# KiCad board Swadge-HW.kicad_pcb (continued)
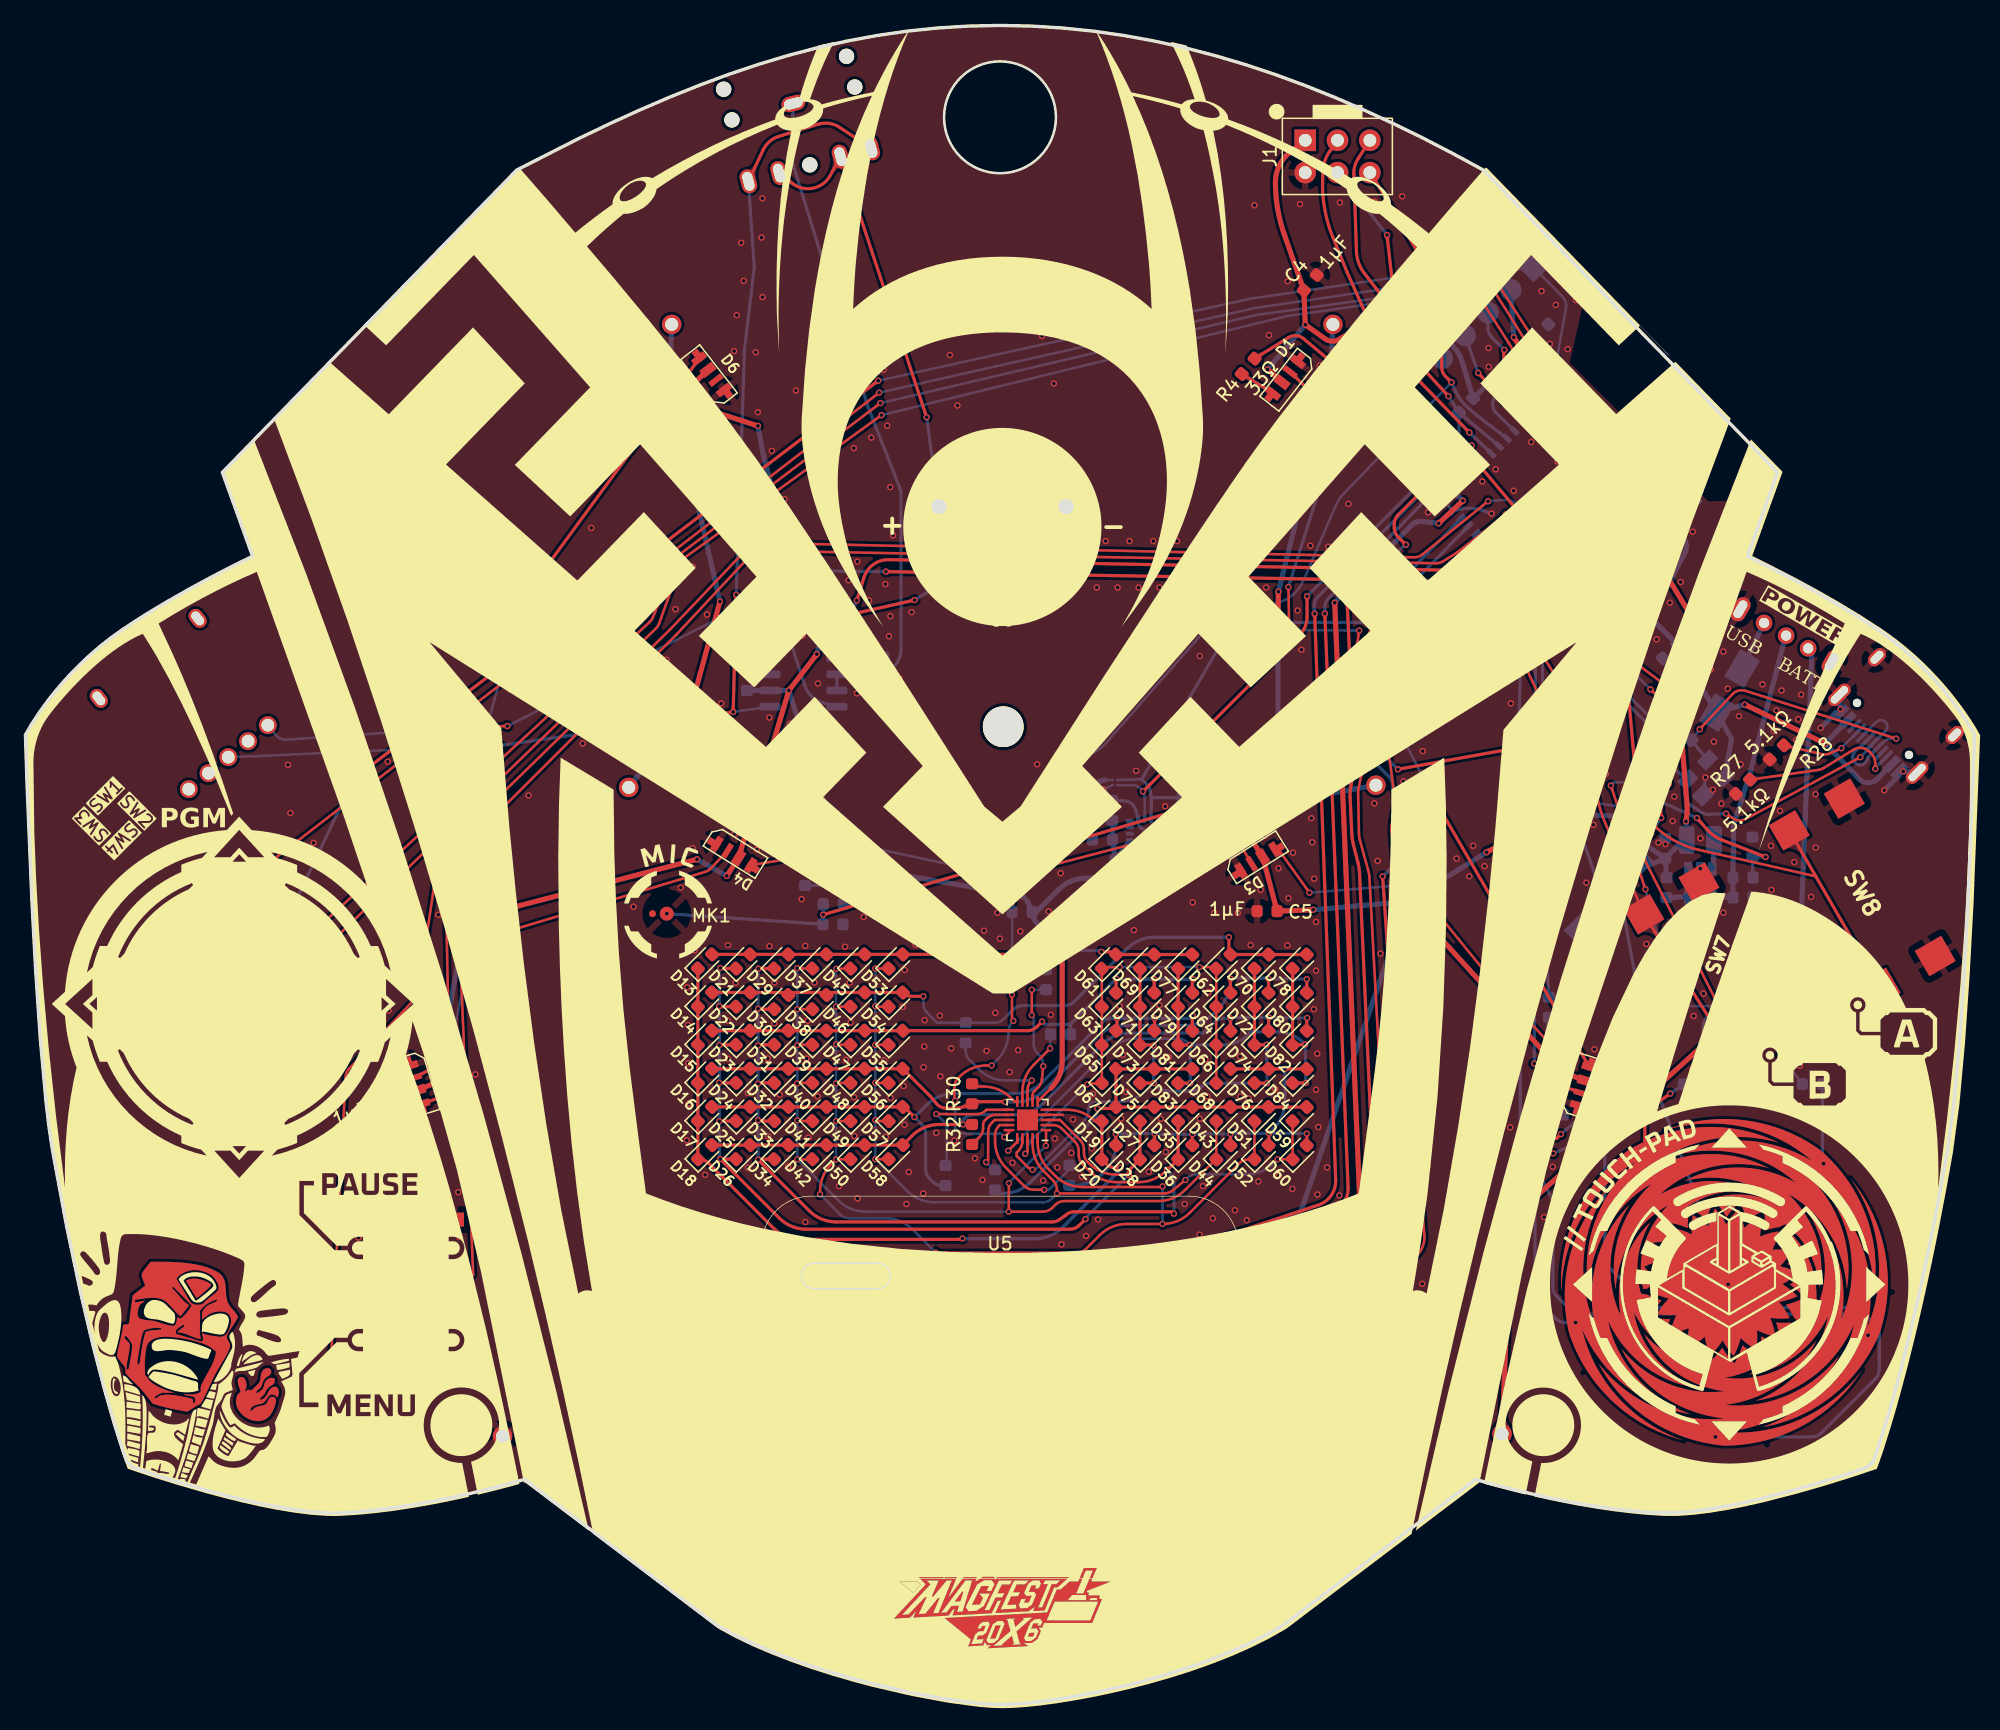
[diagram p0: board, top side]
## Routing (per net, layer and track width the routed paths; a pad name or vN(x,y) marks a point on that pad's centre or on a via; arc(x,y) is an arc through that point) (continued)
C6: length 37
  Top w0.2: v1(83.5,48.8) 83.56,48.86 84.6,48.86 D67.1 D61.1 84.75,58.01 v1(86.04,58.01) ; U11.18 78.79,43.51 v1(78.61,43.33) ; v1(92.3,58.02) 93.51,58.02 D62.1 D68.1
  Bottom w0.2: v1(78.61,43.33) 78.79,43.51 78.79,43.68 arc(78.87,44.06) 79.08,44.38 v1(83.5,48.8) ; v1(92.3,58.02) 86.05,58.02 v1(86.04,58.01)
C7: length 47.3
  Top w0.2: v1(79.2,42.07) 79.07,42.2 78.9,42.2 77.94,43.16 77.94,43.43 78.09,43.58 arc(78.3,43.9) 78.38,44.28 78.38,44.53 U11.17
  Top w0.25: D70.1 D74.1 v1(97.6,51.91) ; v1(97.63,48.88) D76.1 ; v1(88.7,51.84) 88.66,51.89 D73.1 D69.1 ; D75.1 87.64,48.89 v1(88.73,48.89)
  Bottom w0.2: v1(79.2,42.07) 79.37,42.07 83.29,45.99 arc(83.5,46.31) 83.58,46.69 83.6,46.96 arc(83.75,47.29) 84.09,47.43 84.47,47.43 86.02,47.43 arc(87.17,47.66) 88.14,48.31 v1(88.73,48.89)
  Bottom w0.25: v1(97.6,51.91) v1(97.63,48.88) 93.15,48.88 arc(92.77,48.8) 92.45,48.59 92.42,48.56 arc(92.1,48.35) 91.71,48.27 89.77,48.27 arc(89.39,48.35) 89.06,48.56 v1(88.73,48.89) 88.7,48.92 v1(88.7,51.84)
C8: length 50.8
  Top w0.2: v1(77.28,43.57) 77.99,44.28 U11.16
  Top w0.25: v1(91.57,51.89) D81.1 D77.1 ; v1(91.59,48.88) D83.1 ; v1(100.63,51.93) D82.1 D78.1 ; v1(100.68,48.9) D84.1
  Bottom w0.2: v1(77.28,43.57) 85.21,51.5 arc(86.18,52.15) 87.33,52.38 90.66,52.38 arc(91.05,52.3) 91.37,52.09 v1(91.57,51.89)
  Bottom w0.25: v1(100.68,48.9) v1(100.63,51.93) 100.52,52.04 arc(99.54,52.69) 98.4,52.92 96.38,52.92 96.23,52.77 arc(95.25,52.12) 94.11,51.89 v1(91.57,51.89) v1(91.59,48.88)
CC1: length 6.6
  Top w0.2: v1(142.78,75.24) 141.89,74.83 arc(141.57,74.75) 141.25,74.77 R28.2
  Bottom w0.2: P1.A5 v1(142.78,75.24)
CC2: length 12.7
  Top w0.2: 135.6,72.76 140.99,73.53 arc(141.19,73.58) 141.38,73.67 143.74,75.12 arc(144.38,75.26) 144.97,74.98 145.16,74.79 arc(145.37,74.47) 145.45,74.08 v1(145.45,73.62)
  Bottom w0.2: v1(145.45,73.62) 145.45,73.67 P1.B5
EN: length 5.5
  Bottom w0.25: C1.1 R1.2 U1.45
GPIO40: length 29
  Top w0.25: J1.5 104.76,121.59 arc(104.52,121.04) 104.45,120.44 104.66,114.33 arc(104.83,113.41) 105.28,112.59 106.25,111.35 arc(106.71,110.48) 106.87,109.51 106.87,107.53 arc(107.05,106.9) 107.43,106.36 v1(113.54,100.07)
  Bottom w0.25: U1.36 v1(113.54,100.07)
GPIO42: length 106.1
  Top w0.2: v1(77.57,55.86) 77.57,53.89 v1(77.68,53.78) ; v1(76.97,44.64) 77.34,45.01 U11.15 ; v1(73.1,47.5) 73.04,47.56 73.04,48.58 arc(73.12,48.96) 73.33,49.28 73.45,49.4 arc(74.42,50.05) 75.57,50.28 v1(75.97,50.28) ; v1(77.55,63.07) v1(77.91,64.39)
  Top w0.25: v1(112.13,104.02) 111.66,104.49 arc(111.44,104.82) 111.36,105.2 111.36,110.32 arc(111.31,110.88) 111.15,111.43 105.76,120.54
  Bottom w0.2: v1(77.68,53.78) 77.59,53.69 arc(77.38,53.37) 77.3,52.99 77.3,52.86 arc(77.07,51.71) 76.42,50.74 75.97,50.29 v1(75.97,50.28) ; v1(77.57,55.86) 77.58,55.87 R35.1 v1(77.55,63.07) ; v1(76.97,44.64) 76.69,44.92 73.88,44.92 arc(73.5,45) 73.18,45.21 73.1,45.29 v1(73.1,47.5) ; v1(112.13,104.02) 103.64,95.25 arc(103.3,94.83) 103.04,94.35 100.48,88.41 arc(99.62,87.27) 98.32,86.66 94.82,85.95 arc(93.91,85.6) 93.16,84.99 84.94,75.61 arc(84.33,75.08) 83.6,74.74 82.1,74.25 arc(80.86,73.48) 80.13,72.22 v1(77.91,64.39)
  Bottom w0.25: U1.38 114.4,101.21 arc(113.76,101.73) 113.16,102.29 113.15,102.3 arc(112.77,102.75) 112.48,103.26 v1(112.13,104.02)
LCD28: length 30.5
  Top w0.4: v1(79.24,29.98) v1(66.24,16.02)
  Bottom w0.4: U5.10 63.83,17.03 arc(64.12,16.32) 64.83,16.03 66.23,16.03 v1(66.24,16.02) 66.24,17.6 U5.2 ; U7.2 C19.1 C25.1 v1(79.24,29.98)
LED: length 22.6
  Top w0.25: v1(113.71,99.06) 113.46,99.06 107.41,105.11 arc(107.09,105.32) 106.7,105.4 103.38,105.36 arc(103.03,105.42) 102.73,105.59 100.49,107.46 arc(99.92,107.69) 99.32,107.55 R4.2
  Bottom w0.25: v1(113.71,99.06) 113.71,98.78 U1.35
MIC: length 88.4
  Top w0.25: v1(124.33,79.12) v1(124.8,84.88) ; v1(62.72,62.14) v1(100.18,73.17) ; v1(107.92,73.58) v1(120.08,75.77)
  Bottom w0.2: U1.11 124.99,87.49 arc(125.26,87.04) 125.25,86.52 v1(124.8,84.88)
  Bottom w0.25: v1(120.08,75.77) v1(124.33,79.12) ; R3.2 v1(62.72,62.14) C9.2 v1(50.43,62.22) ; v1(100.18,73.17) 102.98,74.46 arc(103.3,74.68) 103.69,74.75 106.33,74.75 arc(106.71,74.68) 107.04,74.46 v1(107.92,73.58)
R0: length 38.9
  Top w0.25: v1(79.25,58.47) 79,58.73 arc(78.67,58.94) 78.29,59.02 D53.2 D13.2 ; D77.2 D61.2 85.54,59.22 v1(84.6,59.22)
  Bottom w0.25: v1(84.6,59.22) 84.5,59.32 82.85,59.32 arc(81.7,59.09) 80.73,58.44 80.25,57.96 R20.1 79.59,58.47 v1(79.25,58.47)
R1: length 52.1
  Top w0.25: D14.2 D54.2 68.99,56.01 arc(69.32,55.8) 69.7,55.72 v1(70.6,55.72) ; D78.2 D62.2 94.63,59.13 v1(94.63,60.37)
  Bottom w0.2: 77.23,54.24 76.91,53.93 arc(76.59,53.71) 76.21,53.64 R23.1 71.67,53.64 71.67,53.65 70.9,54.42 arc(70.68,54.75) 70.6,55.13 v1(70.6,55.72)
  Bottom w0.25: 77.23,54.24 77.69,54.7 arc(78.01,54.92) 78.39,54.99 81.74,54.99 arc(82.12,55.07) 82.45,55.29 86.65,59.49 arc(87.62,60.14) 88.77,60.37 v1(94.63,60.37)
R2: length 43.7
  Top w0.25: D15.2 D55.2 78.81,53.02 arc(79.2,53.09) 79.52,53.31 v1(79.94,53.73) ; v1(88.75,57.07) 88.75,56.01 D71.2 ; v1(91.83,57.04) 91.75,56.96 D79.2 ; v1(85.75,57.09) 85.75,56.01 D63.2
  Bottom w0.25: v1(79.94,53.73) 80.15,53.52 82.18,53.52 ; 82.18,53.52 v1(85.75,57.09) 85.78,57.07 v1(88.75,57.07) 88.78,57.04 v1(91.83,57.04) ; 82.18,53.52 R29.1
R3: length 55.8
  Top w0.25: 94.76,57.04 94.75,57.03 D64.2 ; D80.2 100.75,56.01 v1(100.75,57.07) ; R30.1 73.43,46.92 72.4,46.92 arc(71.97,47.01) 71.63,47.28 71.19,47.82 D56.2 D16.2 ; R30.1 74.45,47.24 74.45,47.28 74.6,47.43 77.02,47.43 v1(77.04,47.41) ; R30.1 74.4,47.23 ; v1(97.74,57.09) 97.75,57.08 D72.2
  Bottom w0.25: 94.81,57.14 97.74,57.14 v1(97.74,57.09) 100.73,57.09 v1(100.75,57.07) ; v1(94.76,57.09) 94.76,56.94 arc(94.53,55.79) 93.88,54.82 93.36,54.3 arc(92.38,53.65) 91.24,53.42 86.42,53.42 arc(85.27,53.19) 84.3,52.54 80.05,48.29 arc(79.07,47.64) 77.93,47.41 v1(77.04,47.41) ; 94.76,57.04 94.81,57.09
R4: length 51.1
  Top w0.25: v1(88.78,53.99) 88.78,53.04 D73.2 ; v1(91.78,54.22) 91.78,53.99 91.75,53.96 D81.2 ; v1(69.9,46.22) 69.11,47.02 D57.2 D17.2 ; v1(85.83,53.99) 85.83,53.09 D65.2
  Bottom w0.25: v1(91.78,54.22) 91.55,53.99 v1(88.78,53.99) v1(85.83,53.99) 85.4,53.99 arc(85.02,53.92) 84.69,53.7 79.94,48.95 arc(78.96,48.3) 77.82,48.07 73,48.07 arc(71.85,47.84) 70.88,47.19 v1(69.9,46.22) 70.49,45.64 arc(70.7,45.31) 70.78,44.93 70.78,42.11 arc(70.86,41.73) 71.07,41.4 71.35,41.13 arc(71.67,40.91) 72.06,40.83 R31.2
R5: length 54.4
  Top w0.25: R32.2 v1(73.72,45.64) 71.85,45.64 arc(70.7,45.41) 69.73,44.76 D58.2 D18.2 ; v1(97.78,54.04) 97.75,54.01 D74.2 ; v1(94.75,53.99) 94.75,53.01 D66.2 ; D82.2 100.75,53.99 v1(100.78,54.02)
  Bottom w0.25: v1(73.72,45.64) 73.72,45.98 73.86,46.12 arc(74.18,46.33) 74.57,46.41 77.89,46.41 arc(79.03,46.64) 80.01,47.29 84.67,51.95 arc(85.64,52.6) 86.79,52.83 92.59,52.83 93.54,53.7 arc(93.87,53.92) 94.25,53.99 v1(94.75,53.99) 94.8,54.04 v1(97.78,54.04) 97.8,54.02 v1(100.78,54.02)
R6: length 37.1
  Top w0.25: D59.2 D43.2 D35.2 D19.2 ; D83.2 D67.2 D19.2 ; D19.2 85.64,46.89 v1(84.28,46.89)
  Bottom w0.2: R33.2 76.34,40.49 76.61,40.22
  Bottom w0.25: v1(84.28,46.89) 84.28,46.76 arc(84.2,46.38) 83.99,46.06 79.03,41.1 arc(78.05,40.45) 76.91,40.22 76.51,40.22 R33.2
R7: length 38.3
  Top w0.25: D60.2 100.75,44.91 v1(100.75,44.92) ; D52.2 97.78,44.04 v1(97.78,44.94) ; v1(91.75,44.87) 91.75,44.01 D36.2 ; D68.2 v1(99.03,50.01) D84.2 ; D20.2 85.73,44.03 v1(85.73,44.89) ; v1(94.75,44.89) 94.75,44.01 D44.2 ; v1(88.78,44.92) 88.78,44.04 D28.2
  Bottom w0.25: v1(97.78,44.94) 98.15,45.32 arc(98.8,46.29) 99.03,47.44 v1(99.03,50.01) ; v1(97.78,44.94) 94.8,44.94 v1(94.75,44.89) 91.78,44.89 v1(91.75,44.87) 88.83,44.87 v1(88.78,44.92) 85.75,44.92 v1(85.73,44.89) 85.73,44.06 arc(85.5,42.91) 84.85,41.94 84.64,41.73 arc(83.67,41.08) 82.52,40.85 R34.2 ; v1(97.78,44.94) 97.8,44.92 v1(100.75,44.92)
RX: length 8.4
  Top w0.25: v1(114.23,104.76) v1(116.31,102.53)
  Bottom w0.25: v1(116.31,102.53) U1.40 ; J3.4 v1(114.23,104.76)
SCL: length 70.5
  Top w0.25: v1(100.77,87.2) 100.77,85.56 arc(100.62,84.8) 100.19,84.15 v1(87.87,71.83) ; v1(107.06,115.61) 107.97,107.48 arc(108.06,107.18) 108.23,106.92 v1(111.89,102.93)
  Bottom w0.2: U6.13 88.01,71.33 arc(87.71,72.05) 86.99,72.34 85.88,72.32
  Bottom w0.25: R6.1 U1.37 ; R6.1 v1(111.89,102.93) ; R6.1 112.72,99.56 arc(112.64,99.17) 112.42,98.85 v1(100.77,87.2) ; v1(107.06,115.61) 103.22,120.54
SDA: length 95.6
  Top w0.25: 119.75,91.04 114.08,97.78 arc(113.92,97.95) 113.74,98.1 107.13,104.71 106.74,104.71 v1(106.75,104.71) ; 119.75,91.04 v1(113.82,85.11) ; 119.75,91.04 119.83,91.12 arc(120.48,91.56) 121.25,91.71 v1(125.56,91.71) ; 103.22,123.08 102.59,122.23 arc(102.18,121.46) 102.02,120.6 101.99,119.89 arc(102.16,117.63) 102.79,115.45 103.91,112.72 v1(106.16,107.66)
  Bottom w0.2: U10.B2 87.77,72.79
  Bottom w0.25: v1(125.56,91.71) 126.96,90.31 U1.7 ; v1(106.75,104.71) v1(106.16,107.66) ; v1(113.82,85.11) 100.96,85.14 arc(100.96,85.14) 100.96,85.14 96.12,85.11 arc(95.13,84.85) 94.4,84.13 87.77,72.79 88.16,72.4 arc(88.34,72.16) 88.44,71.86 88.53,71.36 ; 88.53,71.36 R18.2 ; 88.53,71.36 U6.14
SNODE: length 26.6
  Bottom w0.4: SW9.2 138.41,84.16 135.5,72.93 arc(135.49,72.87) 135.47,72.81 134.4,69.5 arc(134.33,69.21) 134.31,68.91 R21.2 C7.1 132.64,63.56 132.65,64.24 arc(132.5,64.59) 132.16,64.74 131.24,64.76 arc(130.89,64.91) 130.75,65.26 U3.1
SPK: length 56.1
  Top w0.25: v1(67.66,89.13) v1(114.99,88.3)
  Bottom w0.25: C18.2 v1(67.66,89.13) ; U1.21 117.66,88.51 117.13,87.98 arc(116.57,87.7) 115.96,87.8 v1(114.99,88.3)
SPK_SHDN: length 58.8
  Top w0.25: v1(114.97,89.18) 67.88,90.07 arc(66.67,89.69) 65.93,88.67 v1(65.37,86.86)
  Bottom w0.25: v1(65.37,86.86) R5.2 U8.1 ; U1.22 116.89,88.93 arc(116.33,88.65) 115.71,88.77 v1(114.97,89.18)
TFT_CS: length 105.9
  Top w0.2: v1(106.47,86.68) 104.9,82 arc(104.81,81.63) 104.8,81.26 105.19,74.12 arc(105.18,73.86) 105.14,73.59 104.83,72.16 arc(104.8,71.93) 104.79,71.69 104.85,68.5 arc(104.87,68.26) 104.92,68.01 105.6,65.54 arc(105.65,65.33) 105.67,65.11 107.13,38.2 arc(106.87,37.09) 106.04,36.31 v1(74.12,20)
  Bottom w0.2: U5.3 65.92,20.7 65.92,21.19 arc(66.33,22) 67.22,22.15 v1(74.12,20)
  Bottom w0.25: U1.29 106.47,86.66
TFT_FMARK: length 110.6
  Top w0.25: v1(106.11,74.1) 105.63,81.21 arc(105.65,81.64) 105.76,82.06 v1(107.55,86.68) ; v1(106.72,65.15) 108.6,37.37 arc(108.33,36.23) 107.48,35.44 v1(73.79,18.98) ; v1(67.23,21.56) 63.58,21.56 v1(63.54,21.6)
  Bottom w0.25: v1(63.54,21.6) 63.52,21.58 U5.11 ; v1(67.23,21.56) 71.54,20.31 arc(71.8,20.21) 72.05,20.08 v1(73.79,18.98) ; v1(106.72,65.15) 107.22,65.65 arc(107.43,65.98) 107.51,66.36 107.51,72.29 arc(107.43,72.67) 107.22,73 v1(106.11,74.1) ; U1.28 v1(107.55,86.68)
TFT_LEDA: length 22.1
  Bottom w0.4: C22.1 75.52,26.5 arc(75.17,25.92) 74.53,25.69 63.34,25.71 arc(62.63,25.42) 62.34,24.71 U5.15 U5.14
TFT_RESET: length 112.7
  Top w0.25: v1(108.55,91.24) 107.92,91.87 arc(107.71,92.19) 107.63,92.57 107.63,92.88 arc(107.71,93.26) 107.92,93.58 112.11,97.77 arc(112.43,97.98) 112.81,98.06 v1(112.83,98.06) ; v1(71.76,19.52) 105.04,36.93 arc(105.85,37.7) 106.11,38.79 104.9,65.42 arc(104.86,65.83) 104.78,66.22 104.41,67.69 arc(104.33,68.08) 104.29,68.48 104.16,71.36 arc(104.16,71.85) 104.23,72.34 104.42,73.27 arc(104.49,73.76) 104.5,74.25 v1(103.93,86.68)
  Bottom w0.25: v1(103.93,86.68) 107.53,90.28 107.53,90.32 108.45,91.24 v1(108.55,91.24) ; v1(71.76,19.52) 66.57,19.18 arc(65.92,18.87) 65.64,18.2 U5.4 ; U1.34 113.22,98.06 v1(112.83,98.06)
TFT_RS: length 112.5
  Top w0.2: v1(110.78,86.68) 108.66,85.81 arc(108.01,85.37) 107.57,84.71 106.54,82.18 arc(106.41,81.73) 106.4,81.26 107.21,74.75 107.67,71.34 arc(107.69,71.05) 107.67,70.77 107.43,69.18 arc(107.41,68.95) 107.41,68.72 110,36.91 arc(109.73,35.74) 108.84,34.94 v1(101.55,31.59)
  Top w0.25: v1(65.39,26.91) v1(65.39,24.23)
  Bottom w0.2: v1(101.55,31.59) 78.2,31.35 arc(77.19,31.07) 76.47,30.32 R26.1
  Bottom w0.25: U1.25 110.78,86.69 ; R26.1 v1(65.39,26.91) ; v1(65.39,24.23) U5.5
TFT_SCL: length 107.1
  Top w0.25: v1(101.37,85.82) 103.02,41.27 arc(102.67,40.06) 101.65,39.3 78.61,31.67 arc(78.38,31.58) 78.16,31.45 v1(64.79,22.9)
  Bottom w0.25: U1.32 112.01,96.84 arc(111.66,96.98) 111.31,96.83 101.63,87.15 arc(101.41,86.82) 101.34,86.44 101.34,85.85 v1(101.37,85.82) ; U5.7 v1(64.79,22.9)
TFT_SDA: length 110.2
  Top w0.25: 64.67,19.2 v1(64.66,19.21) 66.37,19.21 arc(67.14,19.36) 67.78,19.8 78.5,30.51 arc(78.87,30.8) 79.29,31 102.63,38.7 arc(103.64,39.46) 104,40.68 v1(102.17,85.83) ; v1(112.74,97.35) v1(111.53,96.2)
  Bottom w0.25: v1(64.66,19.21) U5.8 ; v1(102.17,85.83) 102.17,86.32 arc(102.24,86.7) 102.46,87.02 v1(111.53,96.2) ; U1.33 v1(112.74,97.35)
TFTATP: length 90.8
  Top w0.4: v1(113.03,94.71) v1(111.12,92.93) ; v1(102.95,86.68) 104.92,39.59 arc(104.66,38.53) 103.89,37.76 84.88,27.23 arc(84.7,27.16) 84.51,27.12 v1(82.58,26.94)
  Bottom w0.4: U1.31 v1(113.03,94.71) ; v1(111.12,92.93) 109.82,93.08 arc(109.37,93.02) 108.99,92.78 102.95,86.74 v1(102.95,86.68) ; v1(82.58,26.94) Q1.1 R7.2
TOUCH_1: length 52.3
  Top w0.2: v1(129.21,72.4) 129.21,79.48 arc(129.13,79.86) 128.92,80.18 128.82,80.28 arc(128.77,80.33) 128.71,80.37 v1(126.48,82.04) ; v1(124.66,72.3) v1(127.38,64.14)
  Bottom w0.2: v1(126.48,82.04) 125.43,83.09 125.43,83.1 124.52,84.01 arc(124.31,84.33) 124.23,84.71 124.23,85.44 arc(124.15,85.82) 123.94,86.14 U1.13 ; v1(127.38,64.14) 129.65,55.67 arc(130.01,55.14) 130.62,54.94 134.6,54.97 arc(135.05,54.86) 135.4,54.57 R10.1 ; v1(129.21,72.4) 128.34,72.4 128.19,72.55 124.91,72.55 v1(124.66,72.3)
TOUCH_2: length 42.6
  Top w0.2: v1(127.83,68.5) 127.28,67.48 arc(127.16,67.02) 127.27,66.55 v1(133.43,54.39) ; v1(128.62,69.75) 128.59,78.66 arc(128.51,79.05) 128.28,79.37 v1(127.77,79.87)
  Bottom w0.2: v1(127.77,79.87) 127.03,80.61 127.02,80.61 124.07,83.56 arc(123.86,83.88) 123.78,84.26 123.78,84.68 arc(123.7,85.07) 123.49,85.39 U1.14 ; R11.1 131.9,48.83 131.9,53.39 arc(132.19,54.1) 132.9,54.39 v1(133.43,54.39) ; v1(128.62,69.75) v1(127.83,68.5)
TOUCH_3: length 37.1
  Top w0.25: v1(123.83,77.46) v1(122.13,82.36) ; v1(122.13,68.96) v1(120.63,73.86)
  Bottom w0.25: v1(122.13,82.36) 122.74,82.92 arc(123.05,83.5) 122.94,84.15 U1.15 ; R17.1 125.65,62.37 arc(125.45,62.92) 125.1,63.39 123.85,64.64 arc(123.57,64.99) 123.38,65.39 v1(122.13,68.96) ; v1(120.63,73.86) v1(123.83,77.46)
TOUCH_4: length 30.4
  Bottom w0.25: U1.16 119.58,84.4 arc(119.37,84.08) 119.29,83.69 119.28,64.05 R16.1
TOUCH_5: length 40.9
  Top w0.25: v1(119.86,49.35) v1(118.63,50.43)
  Bottom w0.25: v1(119.86,49.35) 119.93,48.85 R12.1 ; U1.17 119,84.95 arc(118.8,84.63) 118.73,84.27 v1(118.63,50.43)
TOUCH_6: length 54
  Top w0.25: v1(120.13,43.36) v1(117.53,43.36)
  Bottom w0.25: U1.18 117.86,84.83 arc(117.69,84.54) 117.62,84.2 117.33,73.16 117.53,63.66 v1(117.53,43.36) ; 124.18,48.44 123.9,48.16 arc(123.69,47.83) 123.61,47.45 123.61,45.49 arc(123.44,44.94) 123,44.57 v1(120.13,43.36)
TX: length 10.7
  Top w0.25: v1(116.29,106.57) 116.29,106.48 116.24,106.43 v1(116.24,103.75)
  Bottom w0.25: v1(116.29,106.57) 115.29,107.57 arc(115.07,107.89) 115,108.28 J3.3 ; v1(116.24,103.75) 115.58,102.92 arc(115.37,102.23) 115.67,101.58 U1.39
USB_D+: length 22.2
  Top w0.25: v1(123.96,82.09) 123.79,82.26 123.79,84.86 arc(123.75,85.05) 123.64,85.21 119.35,89.5 v1(119.35,89.67)
  Bottom w0.25: v1(123.96,82.09) 123.79,81.92 123.79,81.84 arc(123.83,81.64) 123.94,81.48 128.29,77.12 arc(128.46,77.02) 128.65,76.98 R13.1 ; 115.99,90.16 116.7,90.86 arc(116.86,90.97) 117.05,91.01 117.64,91.01 arc(117.83,90.97) 117.99,90.86 119.18,89.67 v1(119.35,89.67)
USB_D-: length 21.5
  Top w0.25: v1(118.82,89.14) 119,89.14 123.14,85 arc(123.25,84.84) 123.29,84.65 123.29,84.02 123.28,84.01 123.28,82.36 123.14,82.22 v1(123.14,82.02)
  Bottom w0.25: 116.35,89.8 116.91,90.36 arc(117.07,90.47) 117.26,90.51 117.43,90.51 arc(117.62,90.47) 117.78,90.36 118.82,89.32 v1(118.82,89.14) ; v1(123.14,82.02) 123.29,81.87 123.29,81.63 arc(123.33,81.44) 123.44,81.28 127.94,76.77 arc(128.05,76.61) 128.09,76.42 R14.1
VMON: length 32.7
  Top w0.25: v1(126.74,71.86) 126.72,71.86 125.29,87.92 arc(125.2,88.26) 125,88.54 124.49,89.05 v1(124.49,89.11) ; v1(136.83,66.68) 133.39,68.02 arc(132.75,68.36) 132.21,68.85 v1(131.43,69.75)
  Bottom w0.25: U1.10 124.58,89.11 v1(124.49,89.11) ; v1(131.43,69.75) 131.18,69.87 arc(131.15,69.89) 131.11,69.9 v1(126.74,71.86) ; v1(136.83,66.68) R22.1 R21.1
Net-(C18-Pad1): length 1.6
  Bottom w0.25: R9.1 C18.1
Net-(C20-Pad1): length 4.5
  Bottom w0.25: C20.1 R2.1 R3.1
Net-(D1-IN): length 2.9
  Top w0.25: R4.1 98.12,103.17
Net-(D1-OUT): length 68.9
  Top w0.2: v1(99.31,87.92) v1(99.37,84.55) ; v1(104.87,84.49) v1(104.67,83.13)
  Top w0.25: 99.44,104.86 101.21,103.1 arc(101.53,102.88) 101.91,102.8 v1(104,102.8) ; D2.1 v1(110.7,71.37)
  Bottom w0.2: v1(110.7,71.37) v1(104.67,83.13) ; v1(99.37,84.55) v1(104.87,84.49)
  Bottom w0.25: v1(104,102.8) v1(99.31,87.92)
Net-(D2-OUT): length 34.6
  Top w0.2: v1(121.12,50.63) 116.04,56.09 116.02,56.13 v1(109.15,64.54) ; D3.1 v1(100.97,63.87)
  Top w0.25: D2.3 v1(120.63,48.75)
  Bottom w0.2: v1(121.12,50.63) v1(120.63,48.75) ; v1(100.97,63.87) v1(109.15,64.54)
Net-(D3-OUT): length 42.1
  Top w0.2: v1(65.92,67.54) D4.1 ; D3.3 94.74,68.95 arc(94.26,69.37) 93.63,69.41 v1(77.17,65.12)
  Bottom w0.2: v1(77.17,65.12) v1(65.92,67.54)
Net-(D4-OUT): length 35.7
  Top w0.2: D4.3 53.89,65.78 arc(53.69,65.62) 53.45,65.51 v1(35.05,59.97)
  Top w0.25: D5.1 v1(32.73,47.81)
  Bottom w0.2: v1(35.05,59.97) v1(32.73,47.81)
Net-(D5-OUT): length 63.5
  Top w0.2: v1(33.05,64.15) 33.32,51.37 arc(33.17,50.83) 32.76,50.45
  Top w0.25: D6.1 v1(39.09,86.97) ; D5.3 32.76,50.45
  Bottom w0.2: v1(39.09,86.97) 35.98,75.85 v1(33.05,64.15)
Net-(D10-K): length 6.7
  Bottom w0.4: L1.1 D10.1 Q1.3
Net-(J2-Pad1): length 47
  Bottom w0.25: J2.1 60.18,121.73 66.21,102.2 68.85,95.44 68.85,83.04 arc(68.7,82.27) 68.26,81.63 R19.2
Net-(P1-DN1): length 25
  Top w0.2: v1(144.27,74.53) 135.25,69.67 arc(134.83,69.55) 134.41,69.63 v1(133.72,70.09)
  Bottom w0.2: P1.B7 144.51,76.27 145.54,77.3 arc(145.89,77.45) 146.25,77.3 146.26,77.29 arc(146.4,76.94) 146.26,76.59 145.22,75.56 P1.A7 145.21,75.47 v1(144.27,74.53)
  Bottom w0.25: v1(133.72,70.09) 132.34,70.04 arc(132.03,70.08) 131.75,70.21 130.94,70.76 arc(130.57,71.21) 130.51,71.78 D11.2 R14.2
Net-(P1-DP1): length 26.2
  Top w0.2: v1(147.1,75.99) 135.24,79.75 arc(134.69,79.77) 134.22,79.49 v1(131.65,76.74)
  Bottom w0.2: v1(131.65,76.74) R13.2 ; v1(147.1,75.99) 146.77,75.99 arc(146.39,75.91) 146.06,75.7
  Bottom w0.25: P1.B6 144.94,74.57 arc(144.89,74.5) 144.85,74.43 144.75,74.22 arc(144.55,74) 144.26,73.93 144.2,73.93 arc(143.98,74) 143.81,74.17 143.75,74.26 arc(143.68,74.47) 143.71,74.7 143.78,74.88 arc(143.84,74.98) 143.92,75.07 P1.A6 ; D11.3 R13.2
Net-(U3-FB): length 3.4
  Bottom w0.4: R24.2 130.74,63.56 R25.1
Net-(U3-LX): length 1.6
  Bottom w0.4: 132.8,67.36 U3.3
Net-(U4-Bottom): length 6.3
  Bottom w0.25: R10.2 141.3,42.64 v1(141.39,42.56)
Net-(U4-Center): length 18.4
  Bottom w0.25: R17.2 v1(133.89,33.06)
Net-(U4-Left): length 48
  Bottom w0.25: v1(144.89,29.06) 144.89,29.08 143.52,30.44 arc(143.2,30.66) 142.82,30.73 122.2,30.73 arc(121.82,30.81) 121.5,31.02 120.39,32.14 arc(120.17,32.46) 120.09,32.85 120.16,39.32 arc(120.13,39.57) 120.04,39.8 119.38,41.03 arc(119.29,41.26) 119.26,41.5 119.21,49.78 arc(119.21,49.85) 119.22,49.92 R16.2
Net-(U4-Right): length 7.4
  Top w0.25: v1(129.33,48.06) 127.76,46.96 arc(127.44,46.6) 127.33,46.14 127.33,43.5 U4.2
  Bottom w0.25: R11.2 v1(129.33,48.06)
Net-(U4-Top_Left): length 54.1
  Bottom w0.25: 124.18,46.87 124.18,35.14 arc(124.26,34.76) 124.48,34.44 127.39,31.52 arc(127.72,31.3) 128.1,31.23 143.69,31.23 arc(144.08,31.15) 144.4,30.94 145.47,29.87 arc(145.68,29.55) 145.76,29.16 145.76,26.34 arc(145.68,25.96) 145.47,25.64 141.18,21.35 arc(140.85,21.13) 140.47,21.06 v1(132.89,21.06)
Net-(U4-Top_Right): length 21
  Top w0.25: v1(118.68,44.55) 120.41,44.55 v1(120.73,44.88)
  Bottom w0.25: v1(120.73,44.88) R12.2 ; v1(118.68,44.55) 118.68,32.42 arc(118.76,32.04) 118.98,31.71 120.34,30.35 arc(120.66,30.13) 121.05,30.06 v1(121.89,30.06)
Net-(U6-VDD): length 5
  Bottom w0.4: 86.84,67.96 C12.1 C13.1 R8.1
Net-(U8-Bypass): length 3.4
  Bottom w0.25: C14.2 U8.2 U8.3
Net-(U8-IN-): length 53.9
  Top w0.2: v1(34.89,76.91) v1(37.89,76.98)
  Bottom w0.2: RV1.1 19.68,76.28 arc(20.05,75.99) 20.5,75.91 v1(34.89,76.91) ; v1(37.89,76.98) R9.2
  Bottom w0.25: U8.4 62.66,78.83 arc(61.81,79.31) 61.3,80.13 R9.2
Net-(U8-VO1): length 97.1
  Top w0.2: v1(34.81,75.39) v1(37.33,75.45)
  Top w0.25: J2.2 58.01,122.31 arc(58.51,122.96) 59.23,123.36 62.33,124.32 arc(63.2,124.39) 64.03,124.08 J2.5 ; v1(44.83,76.53) v1(55.65,78.09) v1(55.89,87.31)
  Bottom w0.2: v1(34.81,75.39) 18.45,74.63 RV1.2 ; v1(55.65,78.09) U8.5
  Bottom w0.25: J2.2 57.31,113.08 56.54,106.61 v1(55.89,87.31) ; v1(44.83,76.53) v1(37.33,75.45)
Net-(U8-VO2): length 27.5
  Top w0.25: v1(69.91,86.89) v1(58.72,84.39)
  Bottom w0.25: v1(69.91,86.89) U9.2 ; v1(58.72,84.39) U8.8
Net-(U9-+): length 35.2
  Top w0.25: J2.3 60.3,119.67 arc(61.94,119.3) 63.28,120.3 J2.4 v1(70.86,101.28)
  Bottom w0.25: v1(70.86,101.28) U9.1
Net-(U11-PC0/T2CH3/UTX/NSS/T1CH3): length 10.4
  Top w0.2: U11.7 79.19,47.93 arc(79.22,48.11) 79.32,48.25 79.64,48.57 arc(79.83,48.85) 79.92,49.17 v1(80.03,50.22) ; v1(79.13,54.24) v1(79.13,56.23)
  Bottom w0.2: v1(80.03,50.22) 80.03,50.38 arc(79.95,50.76) 79.74,51.08 79.57,51.25 arc(79.36,51.57) 79.28,51.95 79.28,54.09 v1(79.13,54.24) ; v1(79.13,56.23) 80.24,56.23 R20.2
Net-(U11-PC1/SDA/NSS/T2CH4/T2CH1ETR/T1BKIN/URX): length 8.6
  Top w0.2: v1(79.13,49.1) 79.08,49.05 arc(78.87,48.73) 78.79,48.35 U11.8
  Bottom w0.2: R23.2 73.93,51.43 arc(74.01,51.05) 74.22,50.73 74.97,49.98 arc(75.94,49.33) 77.09,49.1 v1(79.13,49.1)
Net-(U11-PC2/SCL/URTS/T1BKIN/AETR/T2CH2/T1ETR): length 6.1
  Top w0.2: U11.9 78.39,48.2 arc(78.62,49.34) 79.27,50.32 v1(80.57,51.62)
  Bottom w0.2: v1(80.57,51.62) 80.57,52.7 R29.2
Net-(U11-PC3/T1CH3/T1CHIN/UCTS): length 4
  Top w0.2: R30.2 74.65,48.62 75.35,48.62 arc(76.49,48.39) 77.47,47.74 77.77,47.44 U11.10
Net-(U11-PC4/A2/T1CH4/MCO/T1CH1CH2N): length 10.2
  Top w0.2: v1(71.62,46.46) 72.47,46.46 72.48,46.45 74.8,46.45 arc(75.19,46.53) 75.51,46.74 75.56,46.79 U11.11
  Bottom w0.2: R31.1 72.44,42.5 72.44,45.23 arc(72.36,45.61) 72.15,45.93 v1(71.62,46.46)
Net-(U11-PC5/SCK/T1ETR/T2CH1ETR/SCL/UCK/T1CH3): length 4.5
  Top w0.2: U11.12 76.29,46.39 arc(75.9,46.32) 75.58,46.1 75.45,45.97 arc(75.34,45.8) 75.3,45.61 75.3,45.35 arc(75.22,44.96) 75.01,44.64 R32.1 74.43,44.3
Net-(U11-PC6/MOSI/T1CH1CH3/UCTS/SDA): length 5.6
  Top w0.2: U11.13 76.2,45.99 75.99,45.78 arc(75.78,45.46) 75.7,45.08 75.7,42.83 v1(75.54,42.67)
  Bottom w0.2: v1(75.54,42.67) 76.14,42.07 R33.1
Net-(U11-PC7/MISO/T1CH2/T2CH2/URTS): length 11.1
  Top w0.2: v1(80.11,40.49) 79.92,40.49 79.9,40.51 79.23,40.51 arc(78.85,40.59) 78.53,40.8 77.12,42.21 arc(76.47,43.18) 76.24,44.33 76.24,44.81 arc(76.32,45.19) 76.53,45.51 76.61,45.59 U11.14
  Bottom w0.2: R34.1 82.08,42.11 80.46,40.49 v1(80.11,40.49)

## Copper pours and planes (outline as drawn; the poured copper is in the pictures)
GND on Top: -5.74,133.71 -5.67,-5.61 163.28,-5.59 163.28,133.71
GND on Bottom: -5.92,133.51 -5.92,-5.59 163.08,-5.59 163.08,133.51

Small or netless copper shapes (teardrops, artwork), in the pictures only: 212 on Top, 341 on Bottom

## Text on the board
B.Silkscreen: This shouldn't be too hard. | SUPER 2026 SWADGE V1.2 / Oct 7 2025 | circuitboards@magfest.org / www.swadge.com
F.Silkscreen: + | - | USB | BATT | POWER | PGM
